# Altium PCB Quark.PcbDoc (part 1 of 3)
Units mil, origin at the board's own origin, x right, y up, seen from the top; angles counter-clockwise.
Board outline 1220.47 x 944.88 mil, 6 copper layers (Top1, Signal2, Gnd3, Power4, Signal5, Bottom6), stack 32.534 mil thick; 106 components, 182 nets, 776 pads, 404 vias.
Unrouted connection lines stored in the file: 82.
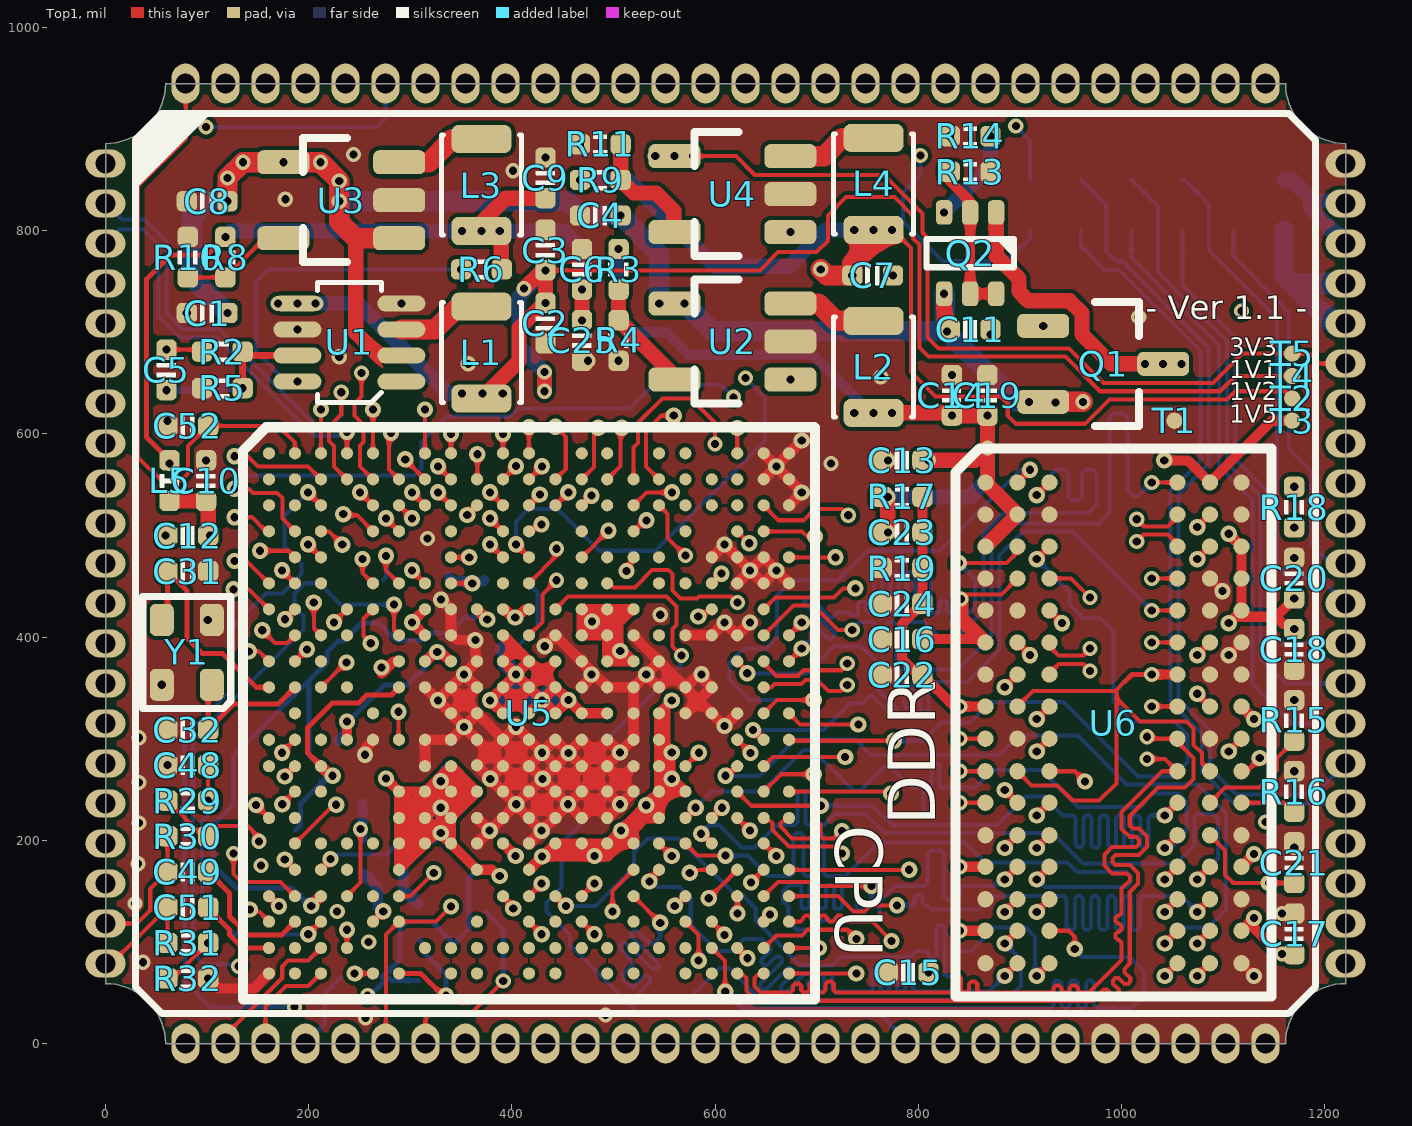
[diagram p0: Top1 view]
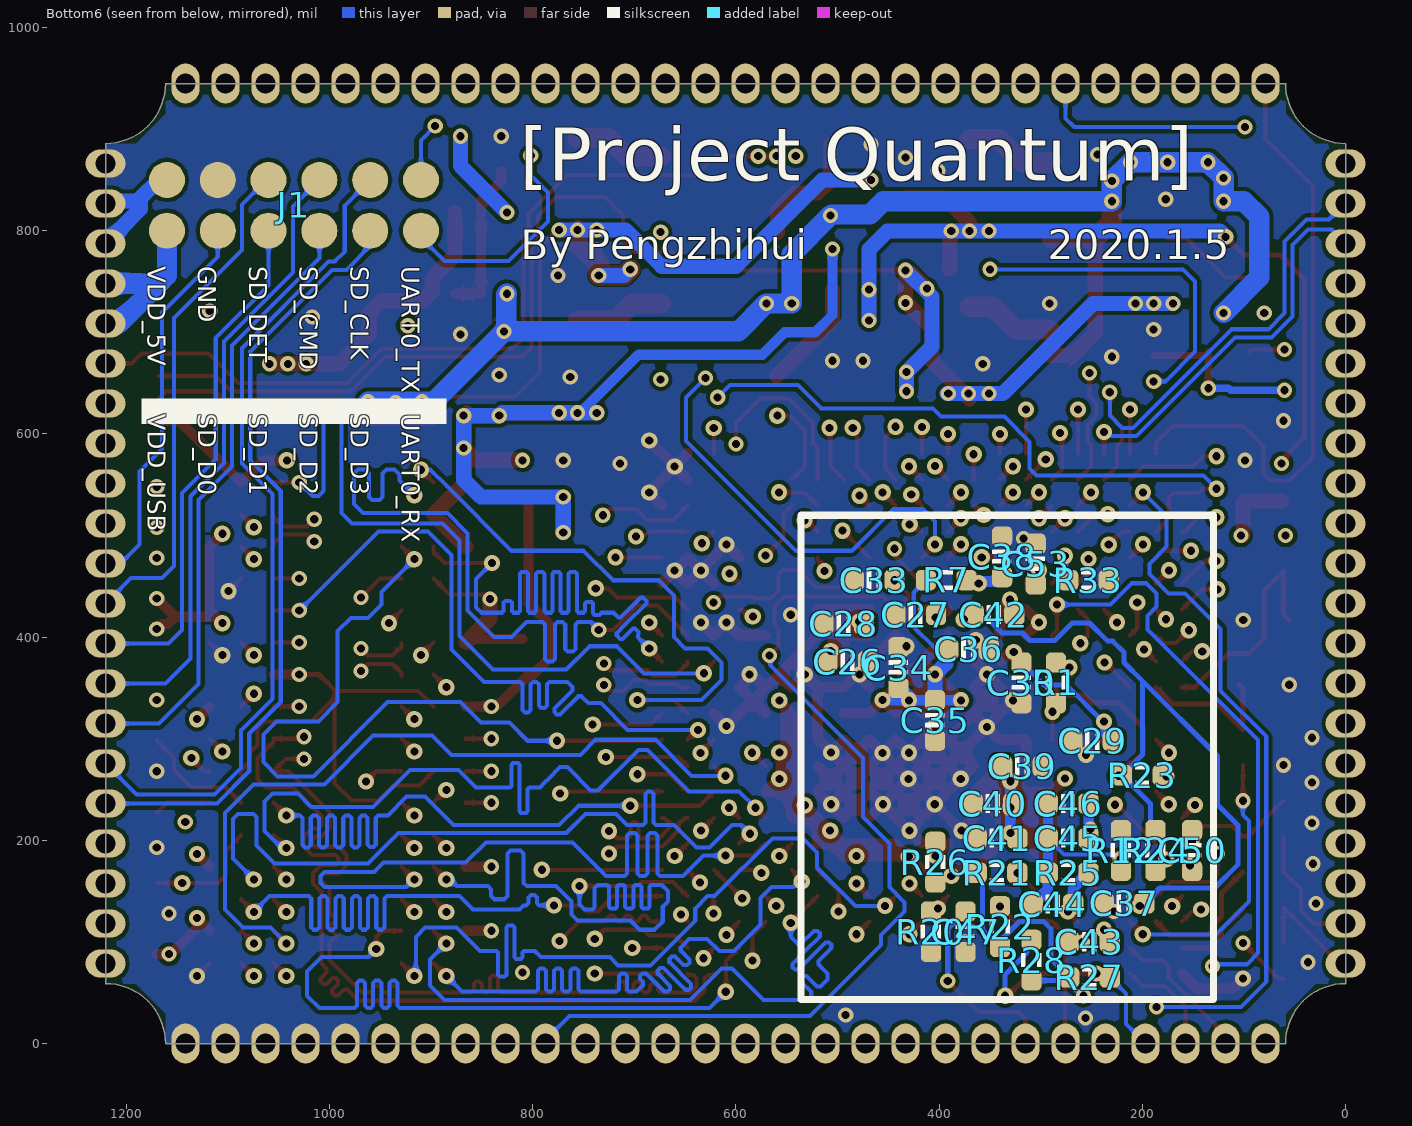
[diagram p1: Bottom6 view, seen from below]
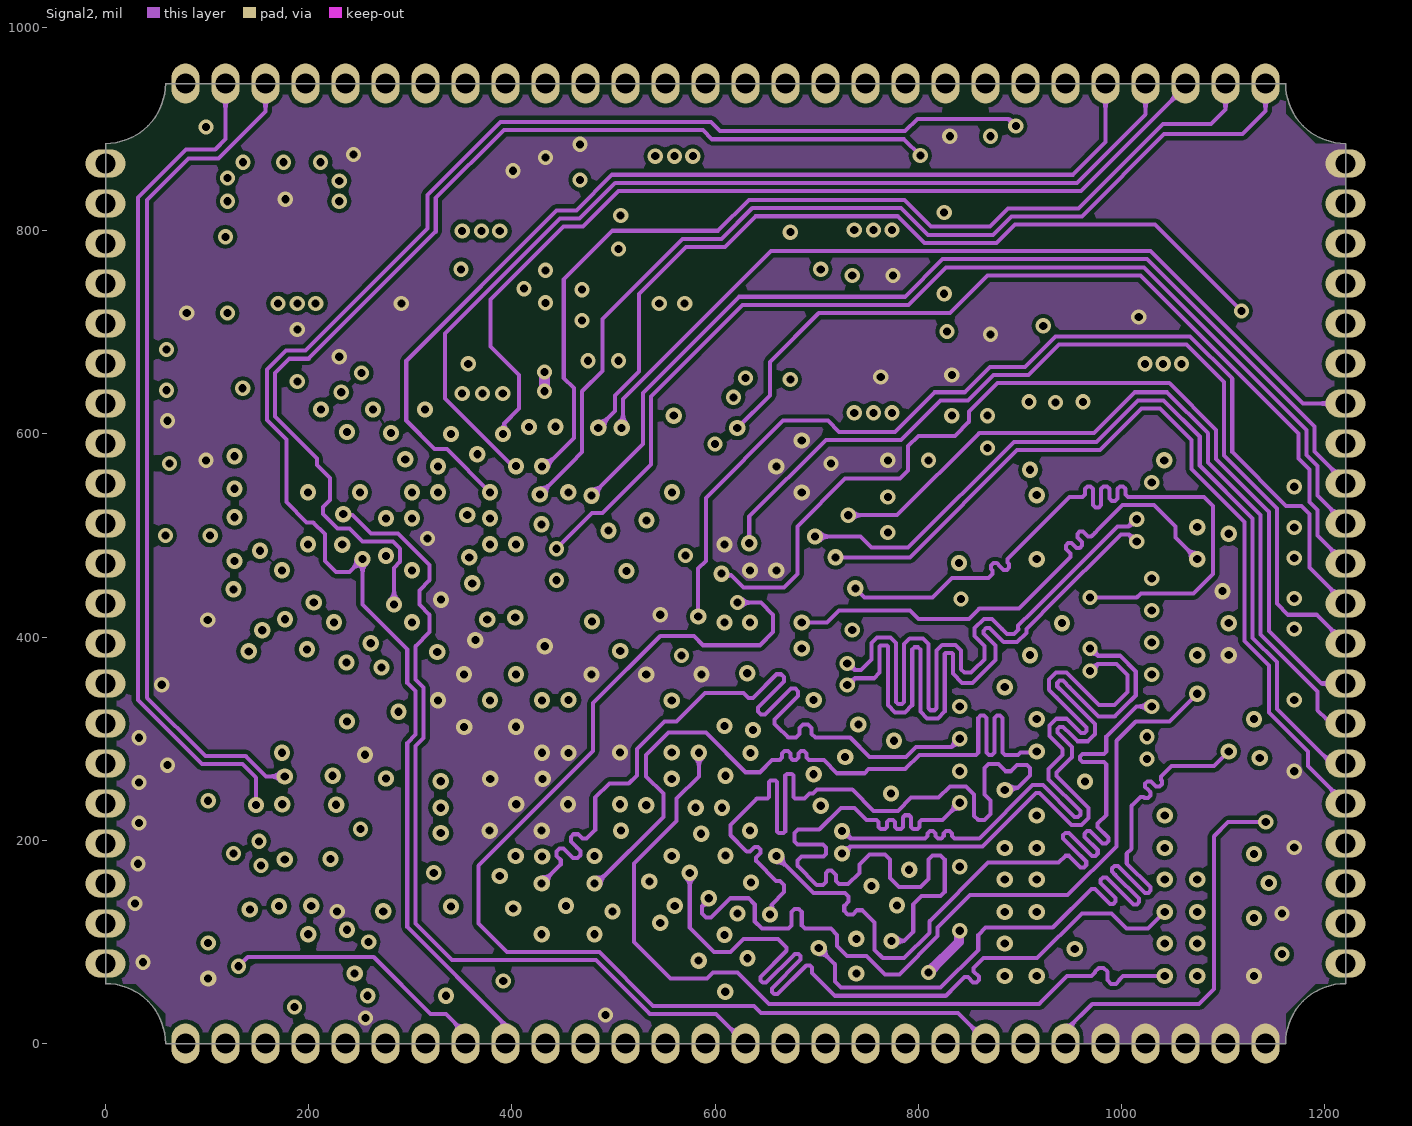
[diagram p2: Signal2]
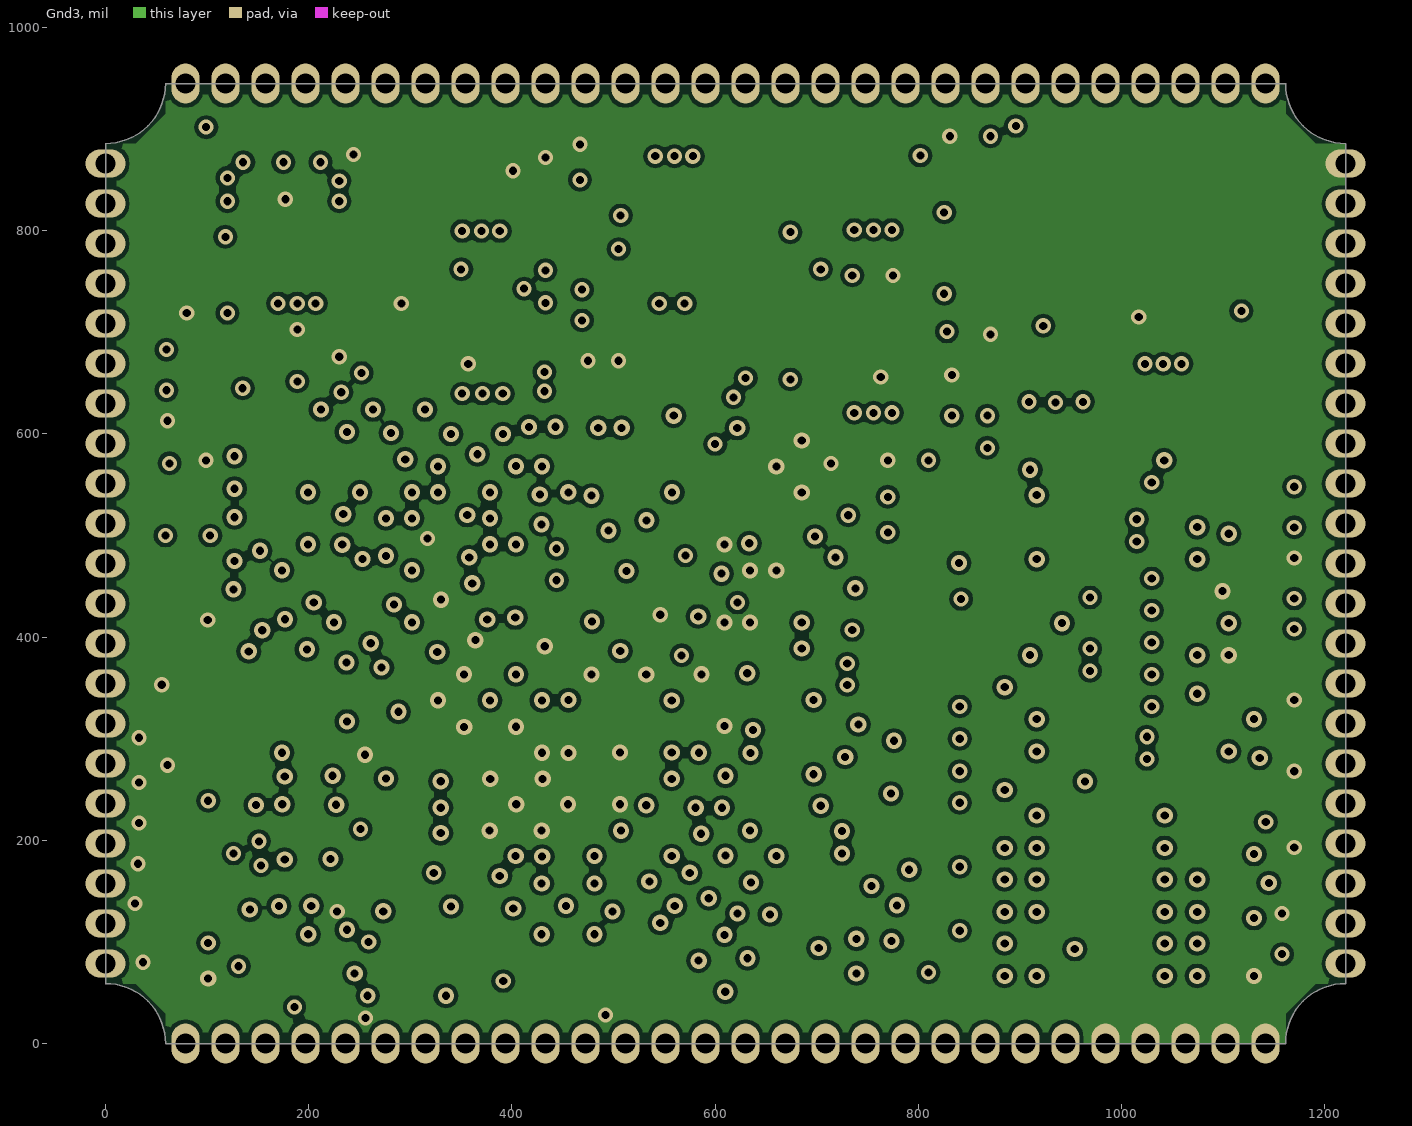
[diagram p3: Gnd3]
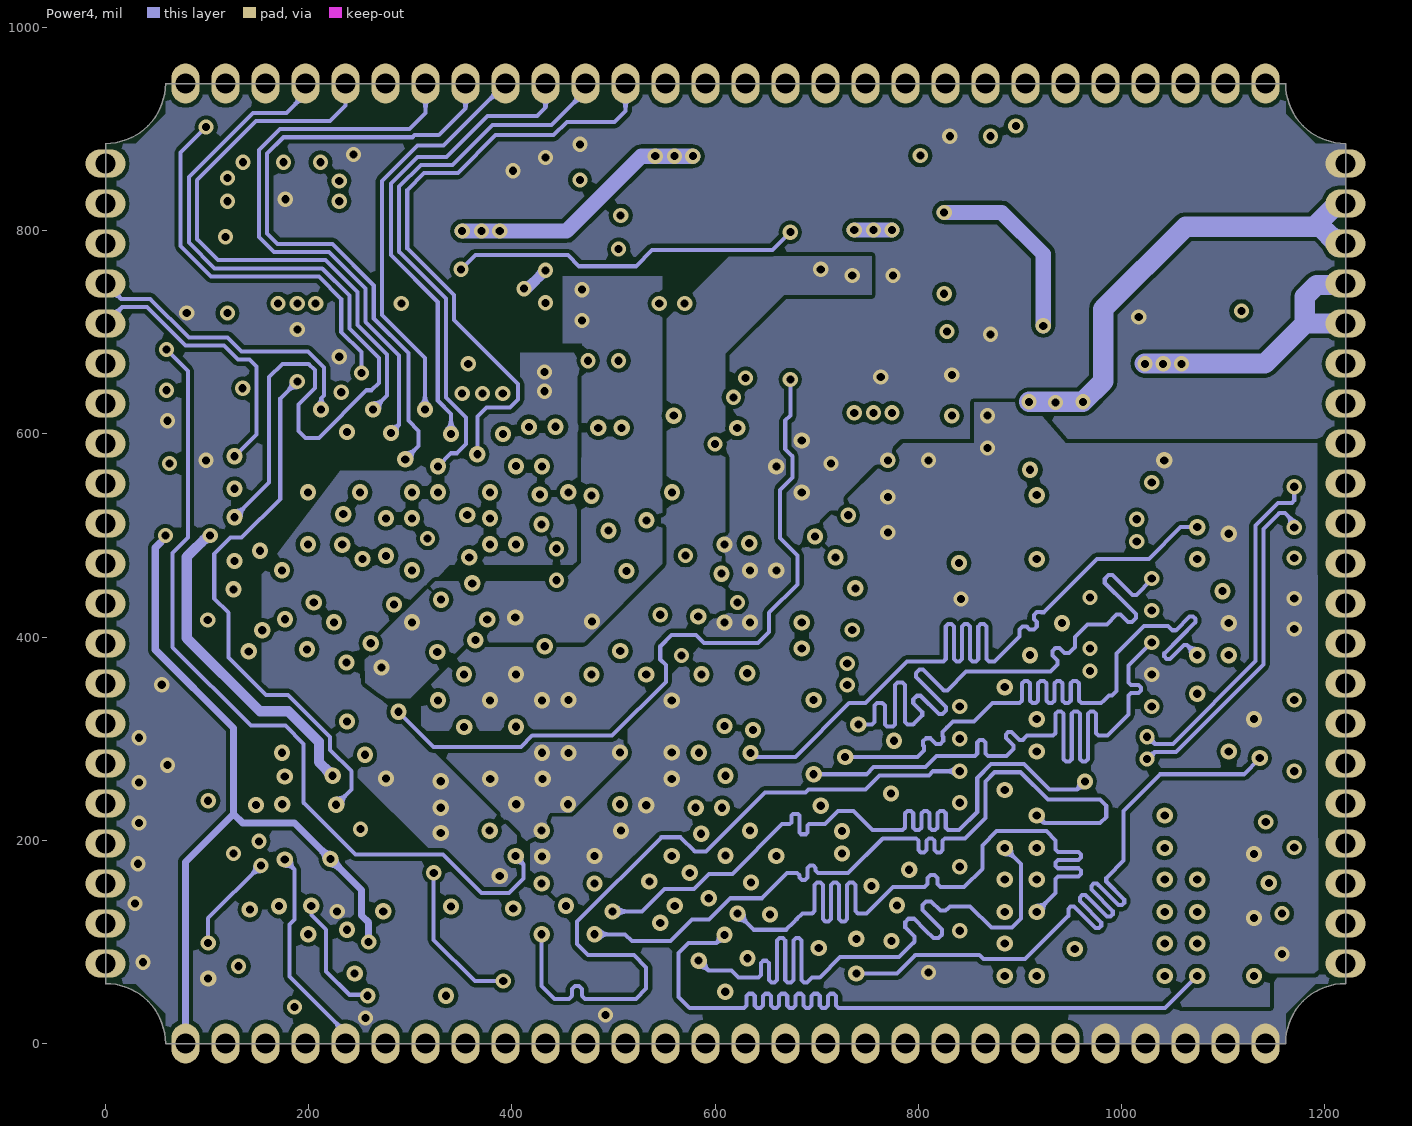
[diagram p4: Power4]
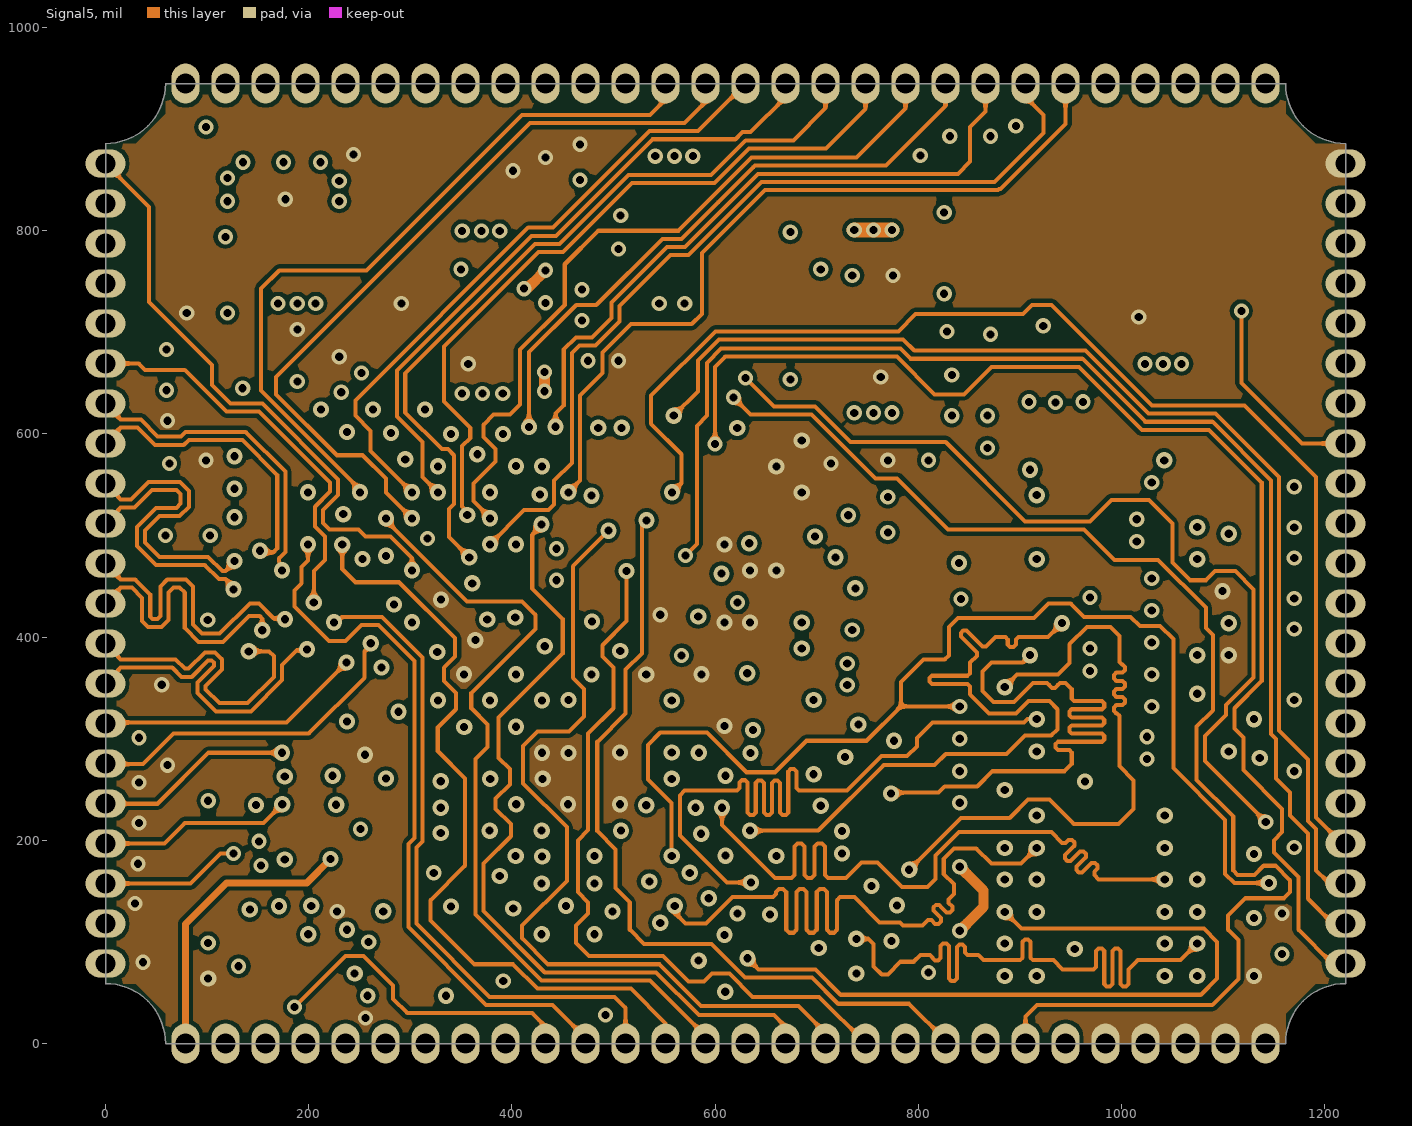
[diagram p5: Signal5]
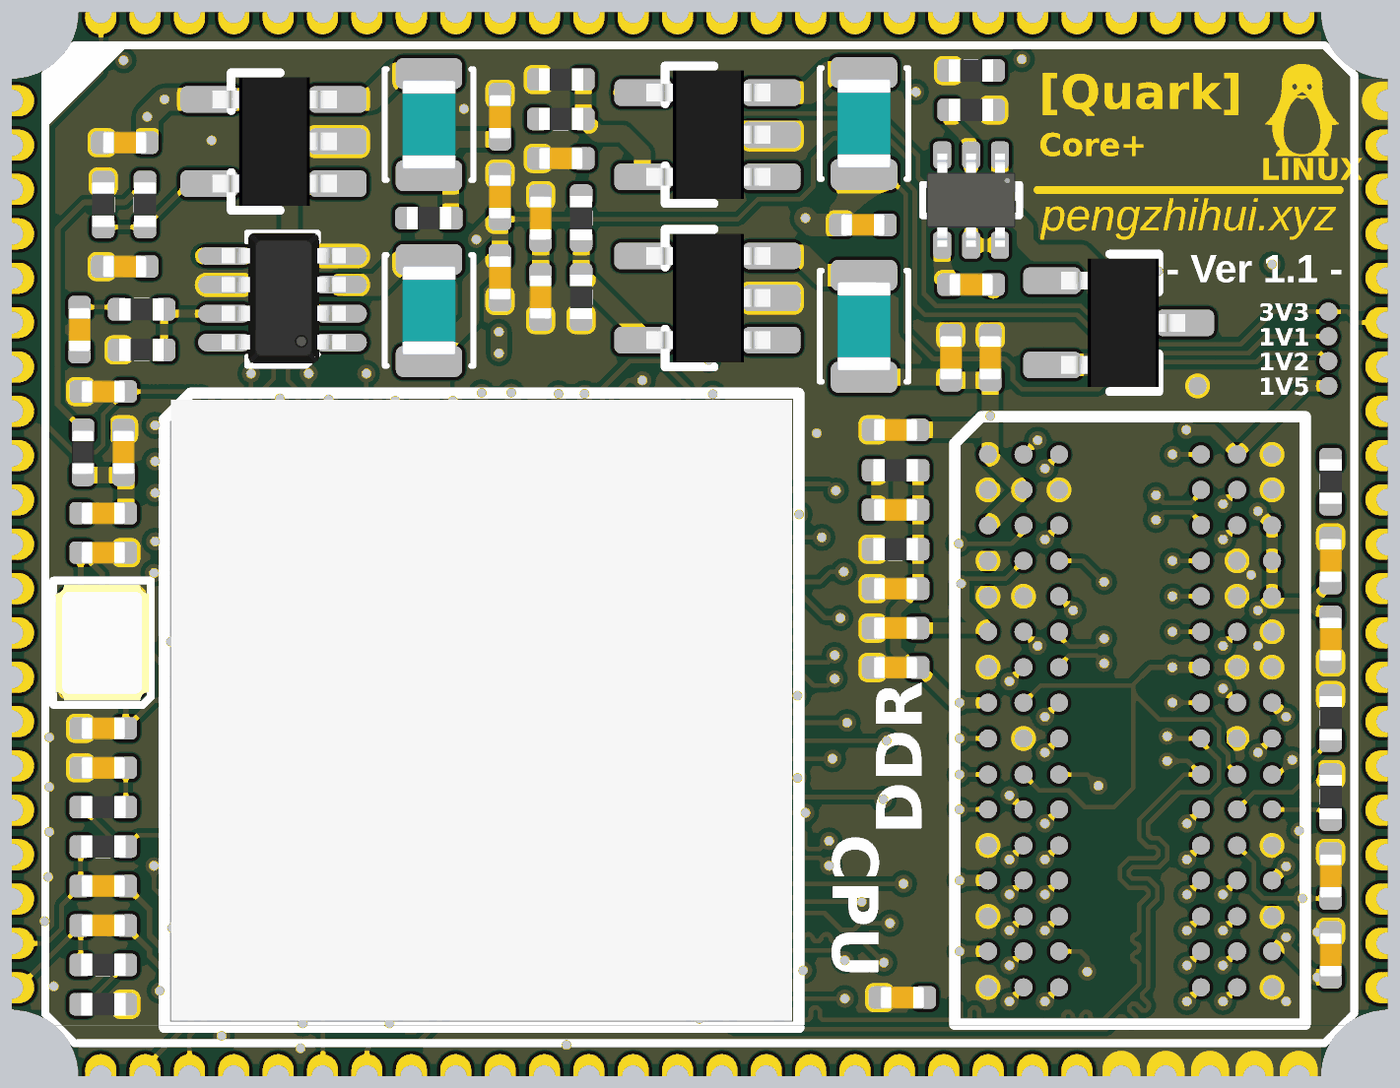
[diagram p8: 3D render of the assembled board from above, using the file's embedded part models]
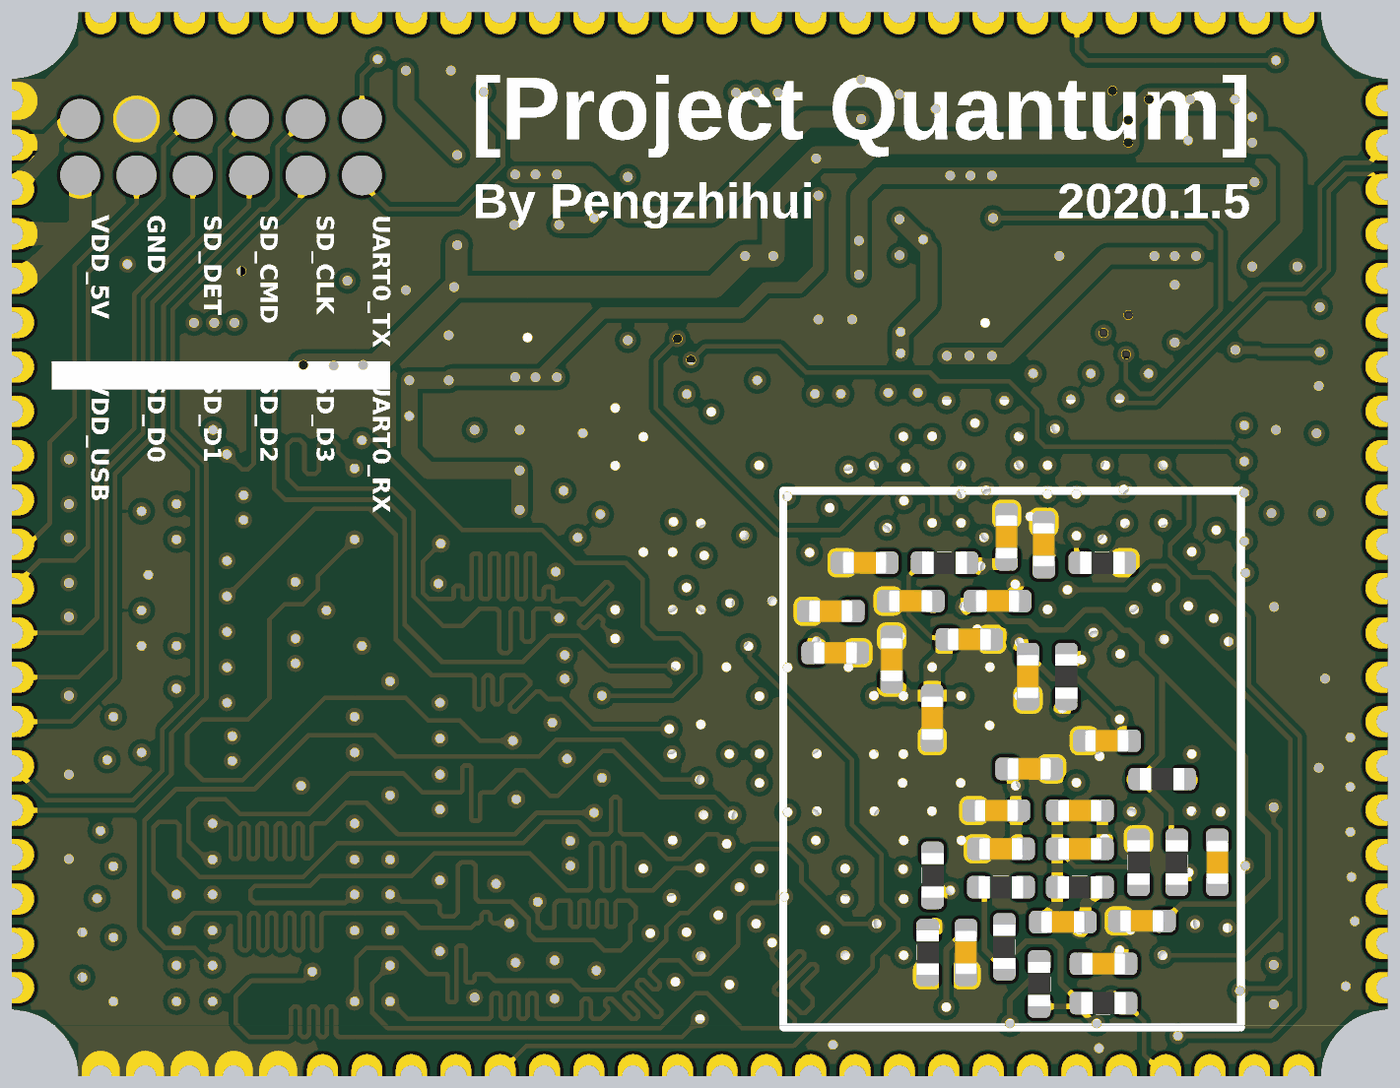
[diagram p9: 3D render of the assembled board from below, using the file's embedded part models]

## Layer stack, top to bottom
Top Solder: solder mask 0.8, Solder Resist, Dk 3.5
Top1: signal copper 1.378
Dielectric1: prepreg 4.2, PP-014, Dk 4.2
Signal2: signal copper 0.689
Dielectric3: core 5, Core-015, Dk 4.4
Gnd3: signal copper 0.689
Dielectric2: prepreg 8.6, PP-023, Dk 4.5
Power4: signal copper 0.689
Dielectric4: core 5, Core-015, Dk 4.4
Signal5: signal copper 0.689
Dielectric5: prepreg 4.2, PP-014, Dk 4.2
Bottom6: signal copper 1.4
Bottom Solder: solder mask 0.8, Solder Resist, Dk 3.5

## Board outline
0,59.06 0,885.83 ccw(c0,944.88) 59.06,944.88 1161.42,944.88 ccw(c1220.47,944.88) 1220.47,885.83 1220.47,59.06 ccw(c1220.47,0) 1161.42,0 59.06,0 ccw(c0,0)

## Design rules (kind name [scope] priority, off if disabled: settings)
Clearance [All] p1: gap=4 ignorepadtopadclearanceinfootprint=FALSE except(0: Arc-Hole Track-Hole SMDPad-Hole THPad-Hole Via-Hole Fill-Hole Poly-Hole Region-Hole Text-Hole)
ComponentClearance [All] p1: gap=0 collisioncheckmode=3 verticalgap=0 showdistances=FALSE
DiffPairsRouting [All] p1: maxlimit=4 minlimit=4 mostfreqgap=4 toplayer_minwidth=4 toplayer_maxwidth=4 toplayer_prefwidth=4 midlayer1_minwidth=4 midlayer1_maxwidth=4 midlayer1_prefwidth=4 midlayer2_minwidth=4 midlayer2_maxwidth=4 midlayer2_prefwidth=4 midlayer3_minwidth=4 midlayer3_maxwidth=4 midlayer3_prefwidth=4 midlayer4_minwidth=4 midlayer4_maxwidth=4 midlayer4_prefwidth=4 bottomlayer_minwidth=4 bottomlayer_maxwidth=4 bottomlayer_prefwidth=4 maxuncoupledlength=500
FanoutControl Fanout_BGA [All] p1: bgadir=Out bgaviamode=Centered fanoutstyle=Auto fanoutdirection=Alternating viagrid=1 // Fanout_BGA (Default Rule)
HoleSize [All] p1: absolutevalues=TRUE maxlimit=10000 minlimit=8 maxpercent=80.000 minpercent=20.000
MinimumSolderMaskSliver [All] p1 off: minsoldermaskwidth=2
PlaneClearance [All] p1: clearance=8
PlaneConnect [All] p1: planeconnectstyle=Direct reliefexpansion=20 reliefentries=4 reliefconductorwidth=10 reliefairgap=10
PolygonConnect [All] p1: connectstyle=Direct reliefconductorwidth=10 reliefentries=4 polygonreliefangle="90 Angle" airgapwidth=10
RoutingVias [All] p1: holewidth=8 width=16 viastyle="Through Hole" minholewidth=6 minwidth=12 maxholewidth=28 maxwidth=50
SilkToSilkClearance [All] p1: silktosilkclearance=0
SilkToSolderMaskClearance [IsPad] p1: minsilkscreentomaskgap=0 clearancetoexposedcopper=TRUE
SolderMaskExpansion [All] p1: expansion=3 istentingtop=FALSE
Width GND [(InNet('AGND') OR InNet('GND'))] p1: maxlimit=50 minlimit=4 preferedwidth=10
Width VCC [(InNet('VDD_SYS_3.3V') OR InNet('VDD_AV_3.3V') OR InNet('VDD_5V') OR InNet('VDD1V2-SYS') OR InNet('VDD1V1-EPHY') OR InNet('VDD-CPUX') OR InNet('VDD-CPUS') OR InNet('VDD-CPUFB') OR InNet('VCC-DRAM'))] p2: maxlimit=50 minlimit=4 preferedwidth=10
Width [All] p3: maxlimit=10000 minlimit=4 preferedwidth=4
21 further rules are at their usual default settings.

## Classes and differential pairs
component class Power: C1 C2 C3 C4 C5 C6 C7 C8 C9 C10 C11 C12 L1 L2 L3 L4 L5 Q1 Q2 R1 R2 R3 R4 R5 R6 R7 R8 R9 R10 R11 R12 R13 R14 T1 T2 T3 T4 T5 U1 U2 U3 U4
component class CPU&DRAM: C13 C14 C15 C16 C17 C18 C19 C20 C21 C22 C23 C24 C25 C26 C27 C28 C29 C30 C31 C32 C33 C34 C35 C36 C37 C38 C39 C40 C41 C42 C43 C44 C45 C46 C47 C48 C49 C50 C51 C52 C53 R15 R16 R17 R18 R19 R20 R21 R22 R23 R24 R25 R26 R27 R28 R29 R30 R31 R32 R33 R43 U5 U6 Y1
component class Connect: J1
differential pair SDQS0: +SDQS0_P -SDQS0_N
differential pair SDQS1: +SDQS1_P -SDQS1_N
differential pair SCK: +SCK_P -SCK_N
differential pair HTX0: +HTX0_P -HTX0_N
differential pair HTX1: +HTX1_P -HTX1_N
differential pair HTX2: +HTX2_P -HTX2_N
differential pair HTXC: +HTXC_P -HTXC_N

## Components (designator, comment, footprint, x,y, rotation, side; value= is the part's Value field where it differs from the comment)
C1 "10uF" CAP_0402 100,719 r0 top value=0.1u
C2 "10uF" CAP_0402 433,709 r90 top value=0.1u
C3 "0.1uF" CAP_0402 433,781 r270 top value=0.1u
C4 "10uF" CAP_0402 487,815 r0 top value=0.1u
C5 "10uF" CAP_0402 60,663 r90 top value=0.1u
C6 "10uF" CAP_0402 469,762 r270 top value=0.1u
C7 "10uF" CAP_0402 755,756 r180 top value=0.1u
C8 "10uF" CAP_0402 100,829 r0 top value=0.1u
C9 "10uF" CAP_0402 433,852 r270 top value=0.1u
C10 "10uF" CAP_0402 99,554 r270 top value=0.1u
C11 "10uF" CAP_0402 851,703 r180 top value=0.1u
C12 "10uF" CAP_0402 81,500 r0 top value=0.1u
C13 "10uF" CAP_0402 784,574 r0 top value=0.1u
C14 "1uF" CAP_0402 833,638 r270 top value=0.1u
C15 "0.1uF" CAP_0402 790,70 r0 top value=0.1u
C16 "0.1uF" CAP_0402 784,398 r0 top value=0.1u
C17 "0.1uF" CAP_0402 1170,108 r270 top value=0.1u
C18 "0.1uF" CAP_0402 1170,388 r90 top value=0.1u
C19 "0.1uF" CAP_0402 868,638 r270 top value=0.1u
C20 "0.1uF" CAP_0402 1170,458 r270 top value=0.1u
C21 "0.1uF" CAP_0402 1170,178 r270 top value=0.1u
C22 "0.1uF" CAP_0402 784,363 r0 top value=0.1u
C23 "0.1uF" CAP_0402 784,503 r180 top value=0.1u
C24 "0.1uF" CAP_0402 784,433 r0 top value=0.1u
C25 "0.1uF" CAP_0402 469,692 r90 top value=0.1u
C26 "0.1uF" CAP_0402 490,376 r0 bottom value=0.1u
C27 "0.1uF" CAP_0402 423,422 r180 bottom value=0.1u
C28 "0.1uF" CAP_0402 494,413 r180 bottom value=0.1u
C29 "1uF" CAP_0402 249,298 r180 bottom value=0.1u
C30 "0.1uF" CAP_0402 319,355 r90 bottom value=0.1u
C31 "18pF" CAP_0402 81,465 r0 top value=0.1u
C32 "18pF" CAP_0402 81,309 r0 top value=0.1u
C33 "10uF" CAP_0402 464,456 r0 bottom value=0.1u
C34 "0.1uF" CAP_0402 440,370 r270 bottom value=0.1u
C35 "0.1uF" CAP_0402 404,318 r90 bottom value=0.1u
C36 "0.1uF" CAP_0402 371,388 r0 bottom value=0.1u
C37 "0.1uF" CAP_0402 218,138 r0 bottom value=0.1u
C38 "0.1uF" CAP_0402 338,479 r270 bottom value=0.1u
C39 "10uF" CAP_0402 318,273 r0 bottom value=0.1u
C40 "0.1uF" CAP_0402 347,236 r180 bottom value=0.1u
C41 "0.1uF" CAP_0402 343,202 r180 bottom value=0.1u
C42 "0.1uF" CAP_0402 346,422 r0 bottom value=0.1u
C43 "1uF" CAP_0402 252,100 r0 bottom value=0.1u
C44 "10uF" CAP_0402 288,137 r180 bottom value=0.1u
C45 "10uF" CAP_0402 273,202 r180 bottom value=0.1u
C46 "0.1uF" CAP_0402 273,236 r180 bottom value=0.1u
C47 "0.1uF" CAP_0402 374,110 r90 bottom value=0.1u
C48 "1uF" CAP_0402 81,274 r180 top value=0.1u
C49 "0.1uF" CAP_0402 81,169 r180 top value=0.1u
C50 "10uF" CAP_0402 151,190 r90 bottom value=0.1u
C51 "0.1uF" CAP_0402 81,134 r180 top value=0.1u
C52 "0.1uF" CAP_0402 81,608 r0 top value=0.1u
C53 "0.1uF" CAP_0402 305,472 r270 bottom value=0.1u
J1 "MIPI0" TEST_CORE 910,800 r0 bottom
L1 "2.2uH" 2520-L 370,680 r270 top
L2 "2.2uH" 2520-L 756,666 r270 top
L3 "2.2uH" 2520-L 370,845 r270 top
L4 "2.2uH" 2520-L 756,846 r270 top
L5 "H0402" IND_0402 63,554 r270 top value=1500R
Q1 "AO3415A" SOT23-3 982,669 r0 top
Q2 "BCM856BS" SOT363-6 851,778 r270 top
R1 "10K" RES_0402 285,355 r90 bottom value=22R
R2 "10K/1%" RES_0402 115,681 r180 top value=22R
R3 "15K/1%" RES_0402 505,762 r270 top value=22R
R4 "10K/1%" RES_0402 505,692 r90 top value=22R
R5 "12K/1%" RES_0402 115,645 r0 top value=22R
R6 "10K" RES_0402 370,762 r0 top value=22R
R7 "2R/1%" RES_0402 393,456 r180 bottom value=22R
R8 "30K/1%" RES_0402 118,774 r270 top value=22R